# KiCad board Mainboard Small.kicad_pcb (continued)
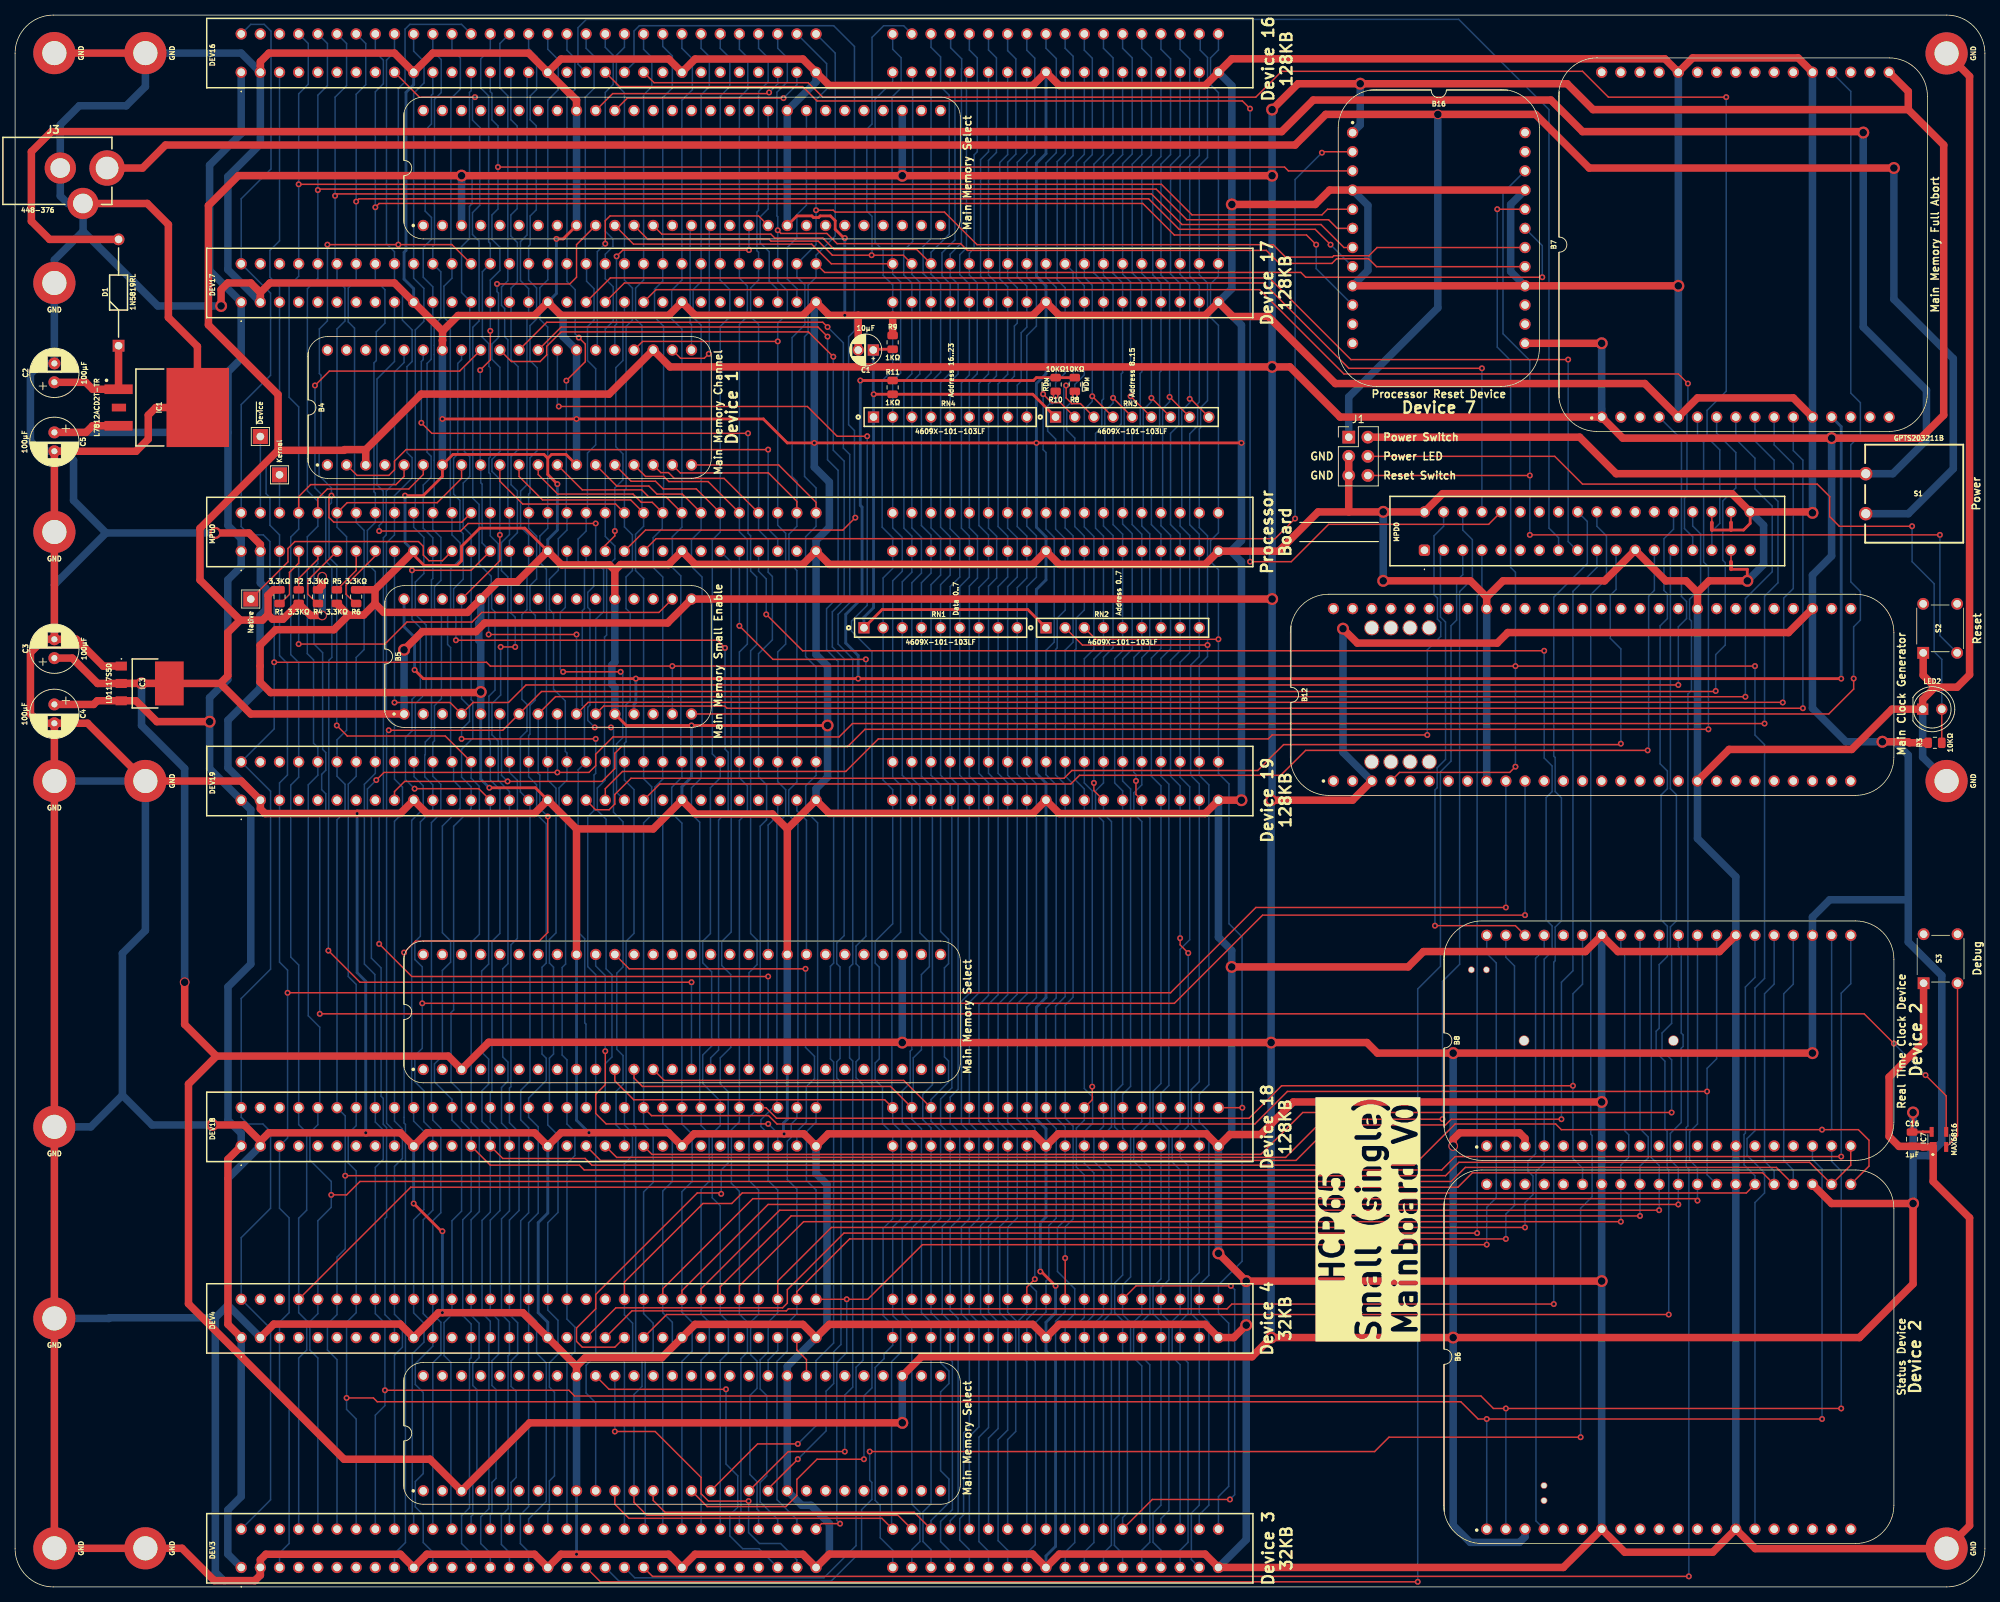
[diagram p0: board, top side]
## Nets
/1.6V: C1.1 R9.1 R11.1 RN1.1 RN2.1 RN3.1 RN4.1
/3.3V: B5.13 B5.32 B7.13 R8.1 R10.1 R11.2
/5V: B1.3 B1.31 B2.3 B2.31 B3.3 B3.31 B4.3 B4.23 B5.1 B5.17 B6.3 B6.23 B7.1 B7.17 B8.3 B8.23 B12.3 B12.31 B16.1 B16.13 C3.1 C16.2 IC3.2 IC3.4 IC7.4 R1.1 R2.1 R3.2 R4.1
/5V LED: J1.4 LED2.2 R3.1
/12V: C4.1 C5.1 DEV3.B1 DEV4.B1 DEV16.B1 DEV17.B1 DEV18.B1 DEV19.B1 IC1.3 IC3.3 MPU0.B1
/18V: C2.1 D1.1 IC1.1
/18V Socket: J1.1 J3.INNER S1.2
/18V Switched: D1.2 J1.2 S1.1
/GND: B1.9 B1.20 B1.37 B1.48 B2.9 B2.20 B2.37 B2.48 B3.9 B3.20 B3.37 B3.48 B4.7 B4.14 B4.27 B4.34 B5.5 B5.12 B5.21 B5.28 B6.7 B6.14 B6.27 B6.34 B7.5 B7.12 B7.21 B7.28 B8.7 B8.14 B8.27 B8.34 B12.9 B12.20 B12.37 B12.48 B16.4 B16.9 B16.16 B16.21 C1.2 C2.2 C3.2 C4.2 C5.2 C16.1 DEV3.B2 DEV3.B10 DEV3.B17 DEV3.B24 DEV3.B31 DEV3.D9 DEV3.D18 DEV4.B2 DEV4.B10 DEV4.B17 DEV4.B24 DEV4.B31 DEV4.D9 DEV4.D18 DEV16.B2 DEV16.B10 DEV16.B17 DEV16.B24 DEV16.B31 DEV16.D9 DEV16.D18 DEV17.B2 DEV17.B10 DEV17.B17 DEV17.B24 DEV17.B31 DEV17.D9 DEV17.D18 DEV18.B2 DEV18.B10 DEV18.B17 DEV18.B24 DEV18.B31 DEV18.D9 DEV18.D18 DEV19.B2 DEV19.B10 DEV19.B17 DEV19.B24 DEV19.B31 DEV19.D9 DEV19.D18 H1.1 H2.1 H3.1 H4.1 H5.1 H6.1 H7.1 H8.1 H9.1 H10.1 H11.1 H12.1 H13.1 IC1.4 IC3.1 IC7.1 J1.3 J1.5 J3.SHL1 J3.SHL2 LED2.1 MPD0.2 MPD0.23 MPD0.36 MPU0.B2 MPU0.B10 MPU0.B17 MPU0.B24 MPU0.B31 MPU0.D9 MPU0.D18 NT1.2 NT2.2 NT3.2 R5.1 R6.1 R9.2 S2.1 S3.1
/AD0: B4.5 B6.25 B8.25 B16.5 DEV3.A4 DEV4.A4 DEV16.A4 DEV17.A4 DEV18.A4 DEV19.A4 MPU0.A4
/AD1: B4.6 B6.24 B8.24 B16.6 DEV3.A5 DEV4.A5 DEV16.A5 DEV17.A5 DEV18.A5 DEV19.A5 MPU0.A5
/AD2: B4.8 B6.22 B8.20 B16.7 DEV3.A6 DEV4.A6 DEV16.A6 DEV17.A6 DEV18.A6 DEV19.A6 MPU0.A6
/AD3: B6.1 B8.18 B16.8 DEV3.A7 DEV4.A7 DEV16.A7 DEV17.A7 DEV18.A7 DEV19.A7 MPU0.A7
/AD4: B6.2 B8.19 B16.10 DEV3.A8 DEV4.A8 DEV16.A8 DEV17.A8 DEV18.A8 DEV19.A8 MPU0.A8
/AD5: DEV3.A9 DEV4.A9 DEV16.A9 DEV17.A9 DEV18.A9 DEV19.A9 MPU0.A9
/AD6: DEV3.A10 DEV4.A10 DEV16.A10 DEV17.A10 DEV18.A10 DEV19.A10 MPU0.A10
/AD7: DEV3.A11 DEV4.A11 DEV16.A11 DEV17.A11 DEV18.A11 DEV19.A11 MPU0.A11
/AD8: DEV3.A12 DEV4.A12 DEV16.A12 DEV17.A12 DEV18.A12 DEV19.A12 MPU0.A12
/AD9: DEV3.A13 DEV4.A13 DEV16.A13 DEV17.A13 DEV18.A13 DEV19.A13 MPU0.A13
/AD10: DEV3.A14 DEV4.A14 DEV16.A14 DEV17.A14 DEV18.A14 DEV19.A14 MPU0.A14
/AD11: DEV3.A15 DEV4.A15 DEV16.A15 DEV17.A15 DEV18.A15 DEV19.A15 MPU0.A15
/AD12: DEV3.A16 DEV4.A16 DEV16.A16 DEV17.A16 DEV18.A16 DEV19.A16 MPU0.A16
/AD13: DEV3.A17 DEV4.A17 DEV16.A17 DEV17.A17 DEV18.A17 DEV19.A17 MPU0.A17
/AD14: DEV3.A18 DEV4.A18 DEV16.A18 DEV17.A18 DEV18.A18 DEV19.A18 MPU0.A18
/AD15: DEV16.A19 DEV17.A19 DEV18.A19 DEV19.A19 MPU0.A19
/AD16: DEV16.A20 DEV17.A20 DEV18.A20 DEV19.A20 MPU0.A20
/AM0: DEV3.D17 DEV4.D17 DEV16.D17 DEV17.D17 DEV18.D17 DEV19.D17 MPU0.D17 RN2.9
/AM1: DEV3.D16 DEV4.D16 DEV16.D16 DEV17.D16 DEV18.D16 DEV19.D16 MPU0.D16 RN2.8
/AM2: DEV3.D15 DEV4.D15 DEV16.D15 DEV17.D15 DEV18.D15 DEV19.D15 MPU0.D15 RN2.7
/AM3: DEV3.D14 DEV4.D14 DEV16.D14 DEV17.D14 DEV18.D14 DEV19.D14 MPU0.D14 RN2.6
/AM4: DEV3.D13 DEV4.D13 DEV16.D13 DEV17.D13 DEV18.D13 DEV19.D13 MPU0.D13 RN2.5
/AM5: DEV3.D12 DEV4.D12 DEV16.D12 DEV17.D12 DEV18.D12 DEV19.D12 MPU0.D12 RN2.4
/AM6: DEV3.C18 DEV4.C18 DEV16.C18 DEV17.C18 DEV18.C18 DEV19.C18 MPU0.C18 RN2.3
/AM7: DEV3.C17 DEV4.C17 DEV16.C17 DEV17.C17 DEV18.C17 DEV19.C17 MPU0.C17 RN2.2
/AM8: DEV3.C16 DEV4.C16 DEV16.C16 DEV17.C16 DEV18.C16 DEV19.C16 MPU0.C16 RN3.9
/AM9: DEV3.C15 DEV4.C15 DEV16.C15 DEV17.C15 DEV18.C15 DEV19.C15 MPU0.C15 RN3.8
/AM10: DEV3.C14 DEV4.C14 DEV16.C14 DEV17.C14 DEV18.C14 DEV19.C14 MPU0.C14 RN3.7
/AM11: DEV3.C13 DEV4.C13 DEV16.C13 DEV17.C13 DEV18.C13 DEV19.C13 MPU0.C13 RN3.6
/AM12: DEV3.C12 DEV4.C12 DEV16.C12 DEV17.C12 DEV18.C12 DEV19.C12 MPU0.C12 RN3.5
/AM13: DEV3.C11 DEV4.C11 DEV16.C11 DEV17.C11 DEV18.C11 DEV19.C11 MPU0.C11 RN3.4
/AM14: DEV3.C10 DEV4.C10 DEV16.C10 DEV17.C10 DEV18.C10 DEV19.C10 MPU0.C10 RN3.3
/AM15: DEV3.C9 DEV4.C9 DEV16.C9 DEV17.C9 DEV18.C9 DEV19.C9 MPU0.C9 RN3.2
/AM16: DEV3.C8 DEV4.C8 DEV16.C8 DEV17.C8 DEV18.C8 DEV19.C8 MPU0.C8 RN4.9
/AM17: DEV3.C7 DEV4.C7 DEV16.C7 DEV17.C7 DEV18.C7 DEV19.C7 MPU0.C7 RN4.8
/AM18: DEV3.C6 DEV4.C6 DEV16.C6 DEV17.C6 DEV18.C6 DEV19.C6 MPU0.C6 RN4.7
/AM19: DEV3.C5 DEV4.C5 DEV16.C5 DEV17.C5 DEV18.C5 DEV19.C5 MPU0.C5 RN4.6
/AM20: DEV3.C4 DEV4.C4 DEV16.C4 DEV17.C4 DEV18.C4 DEV19.C4 MPU0.C4 RN4.5
/AM21: B1.13 B2.13 B3.13 DEV3.C3 DEV4.C3 DEV16.C3 DEV17.C3 DEV18.C3 DEV19.C3 MPU0.C3 RN4.4
/AM22: B1.12 B2.12 B3.12 DEV3.C2 DEV4.C2 DEV16.C2 DEV17.C2 DEV18.C2 DEV19.C2 MPU0.C2 RN4.3
/AM23: B1.11 B2.11 B3.11 DEV3.C1 DEV4.C1 DEV16.C1 DEV17.C1 DEV18.C1 DEV19.C1 MPU0.C1 RN4.2
/DCLK: DEV3.B15 DEV4.B15 DEV16.B15 DEV17.B15 DEV18.B15 DEV19.B15 MPU0.B15
/DD0: B4.18 B6.35 B8.35 DEV3.A28 DEV4.A28 DEV16.A28 DEV17.A28 DEV18.A28 DEV19.A28 MPU0.A28
/DD1: B4.17 B6.33 B8.33 DEV3.A27 DEV4.A27 DEV16.A27 DEV17.A27 DEV18.A27 DEV19.A27 MPU0.A27
/DD2: B4.16 B6.32 B8.32 DEV3.A26 DEV4.A26 DEV16.A26 DEV17.A26 DEV18.A26 DEV19.A26 MPU0.A26
/DD3: B4.15 B6.31 B8.31 DEV3.A25 DEV4.A25 DEV16.A25 DEV17.A25 DEV18.A25 DEV19.A25 MPU0.A25
/DD4: B4.13 B6.30 B8.30 DEV3.A24 DEV4.A24 DEV16.A24 DEV17.A24 DEV18.A24 DEV19.A24 MPU0.A24
/DD5: B4.12 B6.29 B8.29 DEV3.A23 DEV4.A23 DEV16.A23 DEV17.A23 DEV18.A23 DEV19.A23 MPU0.A23
/DD6: B4.11 B6.28 B8.28 DEV3.A22 DEV4.A22 DEV16.A22 DEV17.A22 DEV18.A22 DEV19.A22 MPU0.A22
/DD7: B4.10 B6.26 B8.26 DEV3.A21 DEV4.A21 DEV16.A21 DEV17.A21 DEV18.A21 DEV19.A21 MPU0.A21
/Device_{3} 2MB Select_{0}: B3.15 B4.28
/Device_{3} 2MB Select_{1}: B3.16 B4.29
/Device_{4} 2MB Select_{0}: B3.18 B4.30
/Device_{4} 2MB Select_{1}: B3.19 B4.31
/Device_{16} 2MB Select_{0}: B1.15 B4.21
/Device_{16} 2MB Select_{1}: B1.16 B4.22
/Device_{17} 2MB Select_{0}: B1.18 B4.25
/Device_{17} 2MB Select_{1}: B1.19 B4.26
/Device_{18} 2MB Select_{0}: B2.15 B4.32
/Device_{18} 2MB Select_{1}: B2.16 B4.33
/Device_{19} 2MB Select_{0}: B2.18 B4.35
/Device_{19} 2MB Select_{1}: B2.19 B4.36
/DM0: DEV3.D8 DEV4.D8 DEV16.D8 DEV17.D8 DEV18.D8 DEV19.D8 MPU0.D8 RN1.9
/DM1: DEV3.D7 DEV4.D7 DEV16.D7 DEV17.D7 DEV18.D7 DEV19.D7 MPU0.D7 RN1.8
/DM2: DEV3.D6 DEV4.D6 DEV16.D6 DEV17.D6 DEV18.D6 DEV19.D6 MPU0.D6 RN1.7
/DM3: DEV3.D5 DEV4.D5 DEV16.D5 DEV17.D5 DEV18.D5 DEV19.D5 MPU0.D5 RN1.6
/DM4: DEV3.D4 DEV4.D4 DEV16.D4 DEV17.D4 DEV18.D4 DEV19.D4 MPU0.D4 RN1.5
/DM5: DEV3.D3 DEV4.D3 DEV16.D3 DEV17.D3 DEV18.D3 DEV19.D3 MPU0.D3 RN1.4
/DM6: DEV3.D2 DEV4.D2 DEV16.D2 DEV17.D2 DEV18.D2 DEV19.D2 MPU0.D2 RN1.3
/DM7: DEV3.D1 DEV4.D1 DEV16.D1 DEV17.D1 DEV18.D1 DEV19.D1 MPU0.D1 RN1.2
/D~{CLK}: DEV3.B16 DEV4.B16 DEV16.B16 DEV17.B16 DEV18.B16 DEV19.B16 MPU0.B16
/D~{RD}: B8.21 DEV3.B13 DEV4.B13 DEV16.B13 DEV17.B13 DEV18.B13 DEV19.B13 MPU0.B13
/D~{WD}: B4.9 B6.21 B8.22 B16.3 DEV3.B14 DEV4.B14 DEV16.B14 DEV17.B14 DEV18.B14 DEV19.B14 MPU0.B14
/HD0: B4.20 B8.40 B16.19 DEV3.A31 DEV4.A31 DEV16.A31 DEV17.A31 DEV18.A31 DEV19.A31 MPU0.A31
/HD1: B4.19 B8.39 B16.18 DEV3.A30 DEV4.A30 DEV16.A30 DEV17.A30 DEV18.A30 DEV19.A30 MPU0.A30
/HD2: B4.24 B8.37 B16.17 DEV3.A29 DEV4.A29 DEV16.A29 DEV17.A29 DEV18.A29 DEV19.A29 MPU0.A29
/Kernal: MPU0.A3 TP2.1
/MPU0_{M}: MPU0.B8 R6.2
/MPU1_{M}: MPU0.B7 R5.2
/MPU CLK: B12.10 DEV3.B3 DEV4.B3 DEV16.B3 DEV17.B3 DEV18.B3 DEV19.B3 MPU0.B3
/M~{RD}: DEV3.D10 DEV4.D10 DEV16.D10 DEV17.D10 DEV18.D10 DEV19.D10 MPU0.D10 R10.2
/M~{WD}: DEV3.D11 DEV4.D11 DEV16.D11 DEV17.D11 DEV18.D11 DEV19.D11 MPU0.D11 R8.2
/Native Latch: MPU0.B12 TP3.1
/~{ABORT}: MPU0.B6 R4.2
/~{Device}: MPU0.A2 TP1.1
/~{Enable} DEV1: MPD0.34 NT1.1
/~{Enable} DEV2: MPD0.32 NT3.1
/~{Enable} DEV3: DEV3.B22 MPD0.30
/~{Enable} DEV4: DEV4.B22 MPD0.28
/~{Enable} DEV5: MPD0.26
/~{Enable} DEV6: MPD0.35
/~{Enable} DEV7: MPD0.33 NT2.1
/~{Enable} DEV16: DEV16.B22 MPD0.31
/~{Enable} DEV17: DEV17.B22 MPD0.29
/~{Enable} DEV18: DEV18.B22 MPD0.27
/~{Enable} DEV19: DEV19.B22 MPD0.25
/~{Interrupt} DEV1: MPD0.1
/~{Interrupt} DEV2: B8.38 MPD0.3
/~{Interrupt} DEV3: DEV3.B19 MPD0.5
/~{Interrupt} DEV4: DEV4.B19 MPD0.7
/~{Interrupt} DEV5: MPD0.9
/~{Interrupt} DEV6: MPD0.11
/~{Interrupt} DEV7: MPD0.13
/~{Interrupt} DEV16: DEV16.B19 MPD0.15
/~{Interrupt} DEV17: DEV17.B19 MPD0.17
/~{Interrupt} DEV18: DEV18.B19 MPD0.19
/~{Interrupt} DEV19: DEV19.B19 MPD0.21
/~{Main Access}: B12.11 DEV3.B11 DEV4.B11 DEV16.B11 DEV17.B11 DEV18.B11 DEV19.B11 MPU0.B11
/~{Main}3: B5.8 B7.8 DEV3.B9
/~{Main}4: B5.9 B7.9 DEV4.B9
/~{Main}16: B5.10 B7.10 DEV16.B9
/~{Main}17: B5.11 B7.11 DEV17.B9
/~{Main}18: B5.7 B7.7 DEV18.B9
/~{Main}19: B5.6 B7.6 DEV19.B9
/~{Main} MPU: B5.4 B7.4 MPU0.B9
/~{Main}_{M}: B1.10 B2.10 B3.10 B5.29
/~{Memory Fail}: B5.16 B7.20
/~{Memory Hi}_{ Device}3: B3.46 DEV3.B30
/~{Memory Hi}_{ Device}4: B3.36 DEV4.B30
/~{Memory Hi}_{ Device}16: B1.46 DEV16.B30
/~{Memory Hi}_{ Device}17: B1.36 DEV17.B30
/~{Memory Hi}_{ Device}18: B2.46 DEV18.B30
/~{Memory Hi}_{ Device}19: B2.36 DEV19.B30
/~{Memory Lo}_{ Device}3: B3.47 DEV3.B29
/~{Memory Lo}_{ Device}4: B3.38 DEV4.B29
/~{Memory Lo}_{ Device}16: B1.47 DEV16.B29
/~{Memory Lo}_{ Device}17: B1.38 DEV17.B29
/~{Memory Lo}_{ Device}18: B2.47 DEV18.B29
/~{Memory Lo}_{ Device}19: B2.38 DEV19.B29
/~{NMI}_{1}: B5.18 MPU0.B4 R1.2
/~{NMI}_{2}: IC7.3 MPU0.B5 R2.2
/~{Reset Switch}: B16.22 J1.6 S2.3
/~{Reset}: B5.15 B6.15 B12.4 B16.20 DEV3.A1 DEV4.A1 DEV16.A1 DEV17.A1 DEV18.A1 DEV19.A1 MPU0.A1
/~{Reset} DEV1: MPD0.24
/~{Reset} DEV2: MPD0.22
/~{Reset} DEV3: DEV3.B20 MPD0.20
/~{Reset} DEV4: DEV4.B20 MPD0.18
/~{Reset} DEV5: MPD0.16
/~{Reset} DEV6: MPD0.14
/~{Reset} DEV7: MPD0.12
/~{Reset} DEV16: DEV16.B20 MPD0.10
/~{Reset} DEV17: DEV17.B20 MPD0.8
/~{Reset} DEV18: DEV18.B20 MPD0.6
/~{Reset} DEV19: DEV19.B20 MPD0.4
/~{Select} DEV1: B4.2 MPU0.B29
/~{Select} DEV2: B6.4 B8.4 MPU0.B28
/~{Select} DEV3: DEV3.B21 MPU0.B27
/~{Select} DEV4: DEV4.B21 MPU0.B26
/~{Select} DEV5: MPU0.B25
/~{Select} DEV6: MPU0.B23
/~{Select} DEV7: B16.2 MPU0.B22
/~{Select} DEV16: DEV16.B21 MPU0.B21
/~{Select} DEV17: DEV17.B21 MPU0.B20
/~{Select} DEV18: DEV18.B21 MPU0.B19
/~{Select} DEV19: DEV19.B21 MPU0.B18
Net-(IC7-IN): IC7.2 S3.3

Pads without a net: B1 1 2 4 5 6 7 8 14 17 21 22 23 24 25 26 27 28 29 30 32 33 34 35 39 40 41 42 43 44 45 49 50 51 52 53 54 55 56; B2 1 2 4 5 6 7 8 14 17 21 22 23 24 25 26 27 28 29 30 32 33 34 35 39 40 41 42 43 44 45 49 50 51 52 53 54 55 56; B3 1 2 4 5 6 7 8 14 17 21 22 23 24 25 26 27 28 29 30 32 33 34 35 39 40 41 42 43 44 45 49 50 51 52 53 54 55 56; B4 1 4 37 38 39 40; B5 2 3 14 19 20 22 23 24 25 26 27 30 31; B6 5 6 8 9 10 11 12 13 16 17 18 19 20 36 37 38 39 40; B7 2 3 14 15 16 18 19 22 23 24 25 26 27 29 30 31 32; B8 1 2 5 6 8 9 10 11 12 13 15 16 17 36; B12 1 2 5 6 7 8 12 13 14 15 16 17 18 19 21 22 23 24 25 26 27 28 29 30 32 33 34 35 36 38 39 40 41 42 43 44 45 46 47 49 50 51 52 53 54 55 56; B16 11 12 14 15 23 24; DEV3 A2 A3 A19 A20 B4 B5 B6 B7 B8 B12 B18 B23 B25 B26 B27 B28; DEV4 A2 A3 A19 A20 B4 B5 B6 B7 B8 B12 B18 B23 B25 B26 B27 B28; DEV16 A2 A3 B4 B5 B6 B7 B8 B12 B18 B23 B25 B26 B27 B28; DEV17 A2 A3 B4 B5 B6 B7 B8 B12 B18 B23 B25 B26 B27 B28; DEV18 A2 A3 B4 B5 B6 B7 B8 B12 B18 B23 B25 B26 B27 B28; DEV19 A2 A3 B4 B5 B6 B7 B8 B12 B18 B23 B25 B26 B27 B28; IC1 2; MPU0 B30; S2 2 4; S3 2 4

## Via types
v1: diameter 1.6, hole 1, Top to Bottom, 44 vias
v2: diameter 1.3, hole 1, Top to Bottom, 5 vias
v3: diameter 0.8, hole 0.4, Top to Bottom, 203 vias

## Routing (per net, layer and track width the routed paths; a pad name or vN(x,y) marks a point on that pad's centre or on a via; arc(x,y) is an arc through that point)
/1.6V: length 91.4
  Top w0.38: RN1.1 114.93,129.59 134.24,129.59 RN2.1 ; v3(113.82,158.14) R11.1 134.9,158.14 RN3.1 ; R9.1 113.86,164.11
  Bottom w0.38: 113.76,164.1 113.76,158.2 v3(113.82,158.14) 113.79,158.12 RN4.1 113.79,129.84 112.52,128.57 RN1.1
/3.3V: length 309.4
  Top w0.38: 111.76,120.43 v3(82.28,120.43) 54.11,120.43 v3(52.96,121.59) ; 111.76,120.43 v3(242.06,120.43) ; 111.76,120.43 v3(111.76,120.43) 111.76,120.43 ; v3(112.04,159.97) R11.2 135,159.97 135.38,160.35 R10.1 R8.1
  Bottom w0.38: B5.13 82.04,117.02 82.28,117.26 v3(82.28,120.43) ; B5.32 51.56,127.3 52.96,125.91 v3(52.96,121.59) ; v3(112.04,159.97) 112.04,143.41 112.27,143.18 112.27,131.11 110.11,128.95 110.11,125.14 111.76,123.49 v3(111.76,120.43) ; v3(242.06,120.43) 242.06,153.85 B7.13
/5V: length 1938
  Top w0.38: IC7.4 252.88,60.33 252.86,60.32 C16.2 251.46,61.51 251.59,61.64 v1(251.59,62.91)
  Top w1: R3.2 251.09,111.93 250.95,112.06 v1(247.52,112.06) ; v2(40.71,128.81) 39.17,128.81 R2.1 35.52,128.32 34.13,128.32 33.53,128.93 ; 34.86,150.71 43.59,150.71 43.69,150.8 46.48,150.8 ; 34.86,150.71 24.51,140.36 24.51,133.52 29.84,128.19 ; 34.86,150.71 34.86,158.1 25.63,167.33 25.63,183.16 29.6,187.13 v1(59.18,187.13) 59.19,187.12 v1(117.6,187.12) v1(166.62,187.12) ; 20.43,119.81 v1(16.76,119.81) 14.09,119.81 ; B3.31 120.14,30.52 163.96,30.52 v1(166.5,33.06) v1(190.63,33.06) 244.47,33.06 251.59,40.17 v1(251.59,50.84) 240.79,50.84 B6.23 ; 46.48,150.8 53.84,158.16 78.74,158.16 B4.23 86.82,161.77 v1(166.62,161.77) 168.99,161.77 175.64,155.12 B7.1 213.11,152.32 v1(240.79,152.32) 252.6,152.32 255.65,155.37 255.65,191.18 250.95,195.88 ; 46.48,150.8 B4.3 ; IC3.2 10.94,119.8 7.58,123.15 C3.1 ; v1(117.6,21.76) 68.2,21.76 B3.3 54.99,16.93 43.6,16.93 22.99,37.54 22.99,66.68 26.69,70.38 ; 33.53,128.93 33.53,131.49 34.25,132.22 R1.1 ; 33.53,128.93 32.79,128.19 29.84,128.19 ; v1(238.25,70.78) v1(190.63,70.78) 180.59,70.78 179.2,72.18 v1(166.5,72.18) v1(117.6,72.18) 117.56,72.22 62.78,72.22 B2.3 57.42,70.38 26.69,70.38 ; 27.19,119.8 28.19,120.8 28.19,126.55 29.84,128.19 ; 27.19,119.8 IC3.4 ; 27.19,119.8 31.24,115.75 B5.1 ; v2(190.63,58.46) 190.63,59.35 191.49,60.21 199.42,60.21 200.15,59.48 B8.3 ; B16.13 v1(210.31,164.9) ; 250.95,195.88 250.95,198.3 B7.17 ; 250.95,195.88 209.17,195.88 205.74,199.31 v1(178.31,199.31) 170.05,199.31 v1(166.62,195.88) ; v1(166.5,104.32) 177.29,104.32 B12.3 ; v2(22.48,80.18) 22.48,74.59 26.69,70.38 ; R4.1 40.71,132.77 v2(40.71,133.94) ; v1(51.56,124.26) 53.97,126.67 61.09,126.67 62.23,127.81 86.49,127.81 B5.17 v1(166.62,130.99) ; B12.31 235.08,126.54 197.87,126.54 196.47,125.14 177.93,125.14 v1(176.02,127.05)
  Bottom w1: v1(117.6,72.18) B2.31 ; v1(210.31,164.9) B7.1 ; v1(238.25,70.78) B8.23 238.25,88.82 240.54,91.11 250.95,91.11 ; B6.3 200.15,6.64 199.42,5.91 192.88,5.91 190.63,8.17 v1(190.63,33.06) v2(190.63,58.46) v1(190.63,70.78) ; v1(251.59,62.91) 251.59,57.19 ; 251.59,57.19 v1(251.59,50.84) ; 251.59,57.19 253.62,57.19 255.4,58.97 255.4,81.07 250.95,85.51 250.95,91.11 ; 250.95,91.11 250.95,110.29 249.17,112.06 v1(247.52,112.06) 242.7,112.06 238.25,116.51 B12.31 238.25,134.16 240.79,136.7 v1(240.79,152.32) ; v1(59.18,187.13) B1.3 ; v1(51.56,124.26) 51.56,124.26 B5.1 ; v1(117.6,187.12) B1.31 ; v2(22.48,80.18) 22.48,108.51 16.76,114.22 v1(16.76,119.81) ; v1(176.02,127.05) 176.02,110.67 B12.3 ; B3.31 v1(117.6,21.76) ; v1(178.31,199.31) 178.31,193.85 B16.1 ; v2(40.71,133.94) v2(40.71,128.81) ; v1(166.5,33.06) v1(166.5,72.18) v1(166.5,104.32) 166.62,104.44 v1(166.62,130.99) v1(166.62,161.77) v1(166.62,187.12) v1(166.62,195.88)
/5V LED: length 107.9
  Top w0.2: LED2.2 R3.1 ; v3(251.46,140.64) 241.81,140.64 240.54,141.91 240.54,144.58 238.89,146.23 207.77,146.23 204.09,149.91 J1.4
  Bottom w0.2: v3(251.46,140.64) 251.46,135.94 254.38,133.02 254.38,124 255.4,122.99 LED2.2
/12V: length 265.9
  Top w1: C5.1 9.4,153.08 10.28,153.96 IC1.3 ; C4.1 10.41,117.02 10.89,117.5 IC3.3 16.03,117.5 18.8,114.73 v1(25.78,114.73) ; DEV4.B1 28.21,34.82 28.21,56.7 DEV18.B1
  Bottom w1: DEV18.B1 29.97,60.14 28.22,61.89 28.22,79.57 31.24,82.59 31.24,103.05 DEV19.B1 25.78,108.51 v1(25.78,114.73) 25.78,117.91 28.19,120.32 28.19,133.53 29.97,135.3 MPU0.B1 29.97,138.99 28.22,140.74 28.22,153.08 ; 28.22,153.08 28.22,161.11 29.97,162.86 DEV17.B1 25.78,174.55 25.78,188.52 29.97,192.71 DEV16.B1 ; 28.22,153.08 C5.1 ; DEV4.B1 29.97,11.98 28.2,10.21 28.2,4.35 DEV3.B1
/18V: length 14.7
  Top w1: D1.1 IC1.1 10.28,158.81 9.36,159.73 C2.1
/18V Socket: length 347.6
  Top w1: J3.INNER 16.89,188.14 19.94,191.18 169.67,191.18 173.74,195.25 v2(188.59,195.25) 201.55,195.25 208.66,188.14 v1(249.05,188.14)
  Bottom w1: J1.1 176.78,157.78 188.59,169.59 v2(188.59,195.25) ; v1(249.05,188.14) 249.05,170.74 256.92,162.86 256.92,148.26 250.97,142.31 S1.2
/18V Switched: length 391.3
  Top w1: v1(244.98,192.84) 244.86,192.96 207.77,192.96 203.58,197.15 172.08,197.15 167.89,192.96 4.83,192.96 2.16,190.3 2.16,181.09 4.57,178.68 D1.2 ; J1.2 207.39,152.45 212.23,147.61 S1.1
  Bottom w1: v1(244.98,192.84) 244.98,167.05 253.36,158.67 253.36,152.07 248.9,147.61 S1.1
/GND: length 4203.8
  Top w0.38: v3(56.64,47.16) 56.51,47.16 v3(52.83,50.84) ; MPU0.B17 67.56,140.38 61.59,140.38 59.18,137.97 59.18,136.07 58.55,135.43 54.23,135.43 52.83,136.83 ; v1(229.62,133.4) 229.62,134.92 229.61,134.93 NT2.2 ; v1(107.7,114.22) v3(89.66,114.22) 81.03,114.22 B5.12 ; 224.92,140.14 NT1.2 229.12,140.14 230,141.02 230,142.54 ; B1.20 103.63,181.79 105.62,181.79 105.82,181.58 106.52,181.58 106.72,181.79 108.08,181.79 108.71,181.15 108.71,180.01 109.87,178.85 v3(109.98,178.85) ; v3(71.75,178.74) 72.64,178.74 B1.9 ; v3(135.9,41.82) 136.02,41.82 v3(137.92,39.92) ; 70.61,149.66 70.1,150.16 58.04,150.16 B4.7 56.64,147.24 54.1,144.7 v3(51.69,144.7) ; 70.61,149.66 71.12,150.16 73.02,150.16 B4.14 ; 70.61,149.66 70.61,147.5 v3(71.88,146.23) ; DEV19.B17 68.96,105.97 v3(62.86,105.97) ; v3(162.56,151.69) v3(135.38,151.69) v3(105.94,151.69) 102.36,151.69 99.19,154.86 v3(74.42,154.86) v3(56.64,154.86)
  Top w1: B7.21 236.35,202.74 222.38,202.74 B7.28 218.69,202.61 161.29,202.61 DEV16.D18 157.75,199.08 138.41,199.08 DEV16.D9 134.9,199.08 107.92,199.08 DEV16.B31 104.42,202.59 90.14,202.59 DEV16.B24 86.64,202.59 72.37,202.59 70.64,200.87 73.47,198.04 73.54,198.04 74.42,197.15 B1.48 ; v1(229.62,133.4) 224.54,133.4 223.01,131.88 ; B12.37 223.01,131.88 ; 223.01,131.88 221.49,133.4 218.82,133.4 MPD0.23 210.69,133.4 197.23,133.4 195.07,131.24 ; 254.51,119.3 257.43,119.3 259.08,120.95 259.08,200.29 H1.1 ; 254.51,119.3 252.93,120.88 S2.1 ; 254.51,119.3 252.86,117.65 LED2.1 248.79,116.38 243.46,111.05 227.2,111.05 B12.20 ; B2.37 102.36,100.51 ; 102.36,100.51 100.38,102.48 90.22,102.48 DEV19.B24 84.58,100.51 74.42,100.51 ; 102.36,100.51 DEV19.B31 107.92,102.56 134.9,102.56 DEV19.D9 138.42,102.55 157.74,102.55 DEV19.D18 v1(162.56,104.32) ; 195.07,131.24 B12.48 ; 195.07,131.24 192.91,133.4 v1(181.36,133.4) ; MPU0.B2 32.51,138.23 30.99,139.75 v1(26.54,139.75) ; v1(161.27,82.21) 184.66,82.21 186.69,84.24 208.15,84.24 B8.34 212.47,84.24 225.93,84.24 B8.27 ; v1(220.47,172.52) B16.16 B16.9 ; 32.51,171.63 31.24,172.9 28.19,172.9 27.31,172.01 v1(27.31,169.85) ; 32.51,171.63 DEV17.B2 ; 32.51,171.63 33.78,172.9 50.29,172.9 DEV17.B10 56.67,166.52 ; 176.78,142.54 172.72,142.54 167.51,137.34 MPU0.D18 157.76,135.58 138.4,135.58 MPU0.D9 134.9,135.58 107.92,135.58 MPU0.B31 104.42,135.58 90.14,135.58 MPU0.B24 86.61,135.56 80.26,135.56 79.5,134.8 ; 176.78,142.54 v1(181.36,142.54) 186.82,142.54 189.23,144.96 227.58,144.96 230,142.54 238.12,142.54 v1(238.25,142.42) ; 176.78,142.54 J1.5 J1.3 ; C3.2 8.13,125.65 11.68,122.1 IC3.1 ; C3.2 3.81,125.65 2.03,123.87 2.03,115.75 3.26,114.52 C4.2 ; C3.2 H6.1 C5.2 16.04,150.58 17.65,152.2 17.65,155.37 18.67,156.39 IC1.4 ; 74.42,29.25 75.57,30.39 85.73,30.39 DEV4.B24 90.14,34.81 104.42,34.81 DEV4.B31 107.92,34.81 134.9,34.81 DEV4.D9 138.4,34.81 157.76,34.81 DEV4.D18 161.54,33.06 v1(163.19,34.71) ; 74.42,29.25 B3.48 ; 74.42,29.25 DEV4.B17 67.31,36.36 v3(56.64,36.36) 56.13,36.36 DEV4.B10 51.04,34.85 34.3,34.85 DEV4.B2 ; 111.76,168.6 v3(109.98,168.6) 107.92,168.6 DEV17.B31 104.42,168.6 90.14,168.6 DEV17.B24 86.63,168.6 72.37,168.6 DEV17.B17 68.83,168.58 58.72,168.58 56.67,166.52 ; 111.76,168.6 C1.2 ; 111.76,168.6 116.33,168.6 ; v1(26.16,61.25) 30.35,61.25 32.51,59.1 ; 47.71,130.38 48.88,129.22 59.95,129.22 B5.28 64.01,133.28 66.55,133.28 MPU0.B17 72.43,135.52 78.78,135.52 79.5,134.8 ; 47.71,130.38 46.18,128.85 44.19,128.85 ; 47.71,130.38 47.71,132.22 ; MPU0.B10 47.71,132.22 ; 47.71,132.22 R6.1 ; 116.33,168.6 134.9,168.6 DEV17.D9 138.41,168.6 157.76,168.6 DEV17.D18 161.42,168.45 166.12,168.45 175.01,159.56 216.03,159.56 B7.5 223.01,157.66 235.71,157.66 B7.12 ; 116.33,168.6 116.33,165.94 ; 44.19,128.85 R5.1 ; 44.19,128.85 42.26,126.92 34.54,126.92 32.47,124.85 32.47,119.98 33.86,118.59 61.64,118.59 v1(61.72,118.67) ; H12.1 H2.1 ; 24.17,156.39 24.17,164.48 20.32,168.32 20.32,180.64 17.53,183.44 J3.SHL1 ; 56.67,166.52 56.67,165.3 56.64,165.28 B4.34 ; B16.21 B16.4 174.24,185.22 172.34,183.31 v1(161.29,183.31) ; v1(210.31,64.3) 169.42,64.3 165.1,59.98 161.04,59.98 DEV18.D18 157.9,60.07 138.26,60.07 DEV18.D9 135.04,60.07 107.78,60.07 DEV18.B31 104.56,60.07 v3(101.94,60.07) 90,60.07 DEV18.B24 86.63,60.23 v3(76.07,60.23) 72.38,60.23 DEV18.B17 68.86,60.21 54.58,60.21 DEV18.B10 51.08,60.21 v3(46.48,60.21) 33.63,60.21 32.51,59.1 ; 32.51,59.1 DEV18.B2 ; 74.42,100.51 DEV19.B17 68.86,102.56 54.59,102.56 DEV19.B10 51.08,102.56 45.36,102.56 v3(45.34,102.54) 33.15,102.54 32.51,103.17 DEV19.B2 29.97,106.86 H13.1 9.61,114.52 C4.2 ; 74.42,100.51 B2.48 ; v1(210.31,40.55) 163.2,40.55 v1(163.19,40.55) 163.19,40.55 v1(159.51,44.23) ; DEV16.B2 32.51,202.23 33.65,203.38 50.29,203.38 DEV16.B10 55.37,203.38 68.07,203.38 DEV16.B17 ; C4.2 H7.1 H8.1 H9.1 H4.1 H11.1 22.13,5.12 26.42,0.83 31.78,0.83 32.51,1.56 DEV3.B2 32.51,3.6 33.25,4.33 51.08,4.33 DEV3.B10 54.58,4.33 68.86,4.33 DEV3.B17 72.36,4.33 v3(74.42,4.33) 86.64,4.33 DEV3.B24 90.14,4.33 104.42,4.33 DEV3.B31 107.94,4.35 134.88,4.35 DEV3.D9 138.42,4.35 157.74,4.35 DEV3.D18 205.23,2.58 B6.7 213.36,4.61 225.04,4.61 B6.14 230.67,5.08 H3.1 259.08,8.13 259.08,48.94 254.25,53.76 IC7.1 252.86,58.33 252.78,58.42 C16.1 249.73,58.42 248.41,59.73 248.41,67.6 252.98,72.18 S3.1 ; 79.5,134.8 B5.21
  Bottom w0.38: v3(137.92,39.92) 137.92,36.36 136.65,35.09 DEV4.D9 136.65,31.28 137.92,30.01 137.92,5.37 136.65,4.1 DEV3.D9 ; v3(52.83,50.84) DEV18.B10 ; DEV19.B24 88.39,106.09 89.66,107.36 v3(89.66,114.22) ; v3(45.34,102.54) 45.34,81.45 46.48,80.3 v3(46.48,60.21) ; DEV17.B10 52.83,172.13 51.56,173.4 51.56,176.96 51.82,177.21 51.82,198.17 52.83,199.19 DEV16.B10 ; MPU0.B10 51.69,138.48 v3(51.69,144.7) ; DEV16.D9 136.65,190.04 135.38,188.77 135.38,173.79 136.65,172.52 DEV17.D9 136.65,160.83 135.38,159.56 v3(135.38,151.69) 135.38,140.51 136.65,139.24 MPU0.D9 136.65,133.53 135.38,132.26 135.38,107.87 136.65,106.6 DEV19.D9 136.65,78.15 135.38,76.88 135.38,62.02 136.65,60.75 DEV18.D9 136.65,49.05 135.9,48.3 v3(135.9,41.82) ; DEV18.B17 70.61,49.57 69.34,48.3 69.34,36.36 70.61,35.09 DEV4.B17 ; B5.5 61.72,107.11 v3(62.86,105.97) ; v3(76.07,60.23) 74.42,61.88 B2.9 B2.48 ; v3(56.64,36.36) v3(56.64,47.16) ; v3(71.88,146.23) 71.88,140.13 70.61,138.86 MPU0.B17 ; v3(101.94,60.07) 101.85,60.16 101.85,61.51 102.36,62.02 B2.20 ; v3(109.98,168.6) v3(109.98,178.85) ; v3(71.75,178.74) 71.75,171.5 DEV17.B17 ; B3.9 v3(74.42,4.33)
  Bottom w1: B12.37 B12.20 223.01,99.24 228.09,94.16 B8.27 B8.14 B6.27 B6.14 ; 4.57,61 10.03,61 14.22,65.19 ; 26.54,35.69 12.54,35.69 12.45,35.6 4.57,35.6 ; 26.54,35.69 28.21,37.36 ; 26.54,35.69 26.54,1.95 27.66,0.83 31.78,0.83 32.51,1.56 DEV3.B2 ; H7.1 H13.1 17.27,87.04 14.22,84 14.22,65.19 ; v1(238.25,142.42) B7.12 B7.21 ; LED2.1 252.86,110.03 H10.1 ; 14.22,65.19 18.16,61.25 v1(26.16,61.25) ; B4.14 v3(74.42,154.86) B4.27 72.64,165.78 72.64,168.32 DEV17.B17 ; DEV19.B2 28.22,108.61 28.22,114.92 32.47,119.17 32.47,128.8 33.24,129.57 33.24,132.4 32.51,133.13 MPU0.B2 ; v1(162.56,104.32) 162.56,135.94 161.16,137.34 ; B16.16 198.25,174.42 198.25,183.31 B16.21 ; 161.16,137.34 162.56,138.73 v3(162.56,151.69) 162.56,167.31 DEV17.D18 161.29,172.13 v1(161.29,183.31) 161.29,199.06 DEV16.D18 ; 161.16,137.34 MPU0.D18 ; B5.21 79.5,122.61 79.11,122.22 79.11,119.68 79.5,119.3 B5.12 ; 12.07,139.75 5.21,132.89 C3.2 ; 12.07,139.75 v1(26.54,139.75) ; 12.07,139.75 7.75,144.07 7.75,149.4 6.56,150.58 C5.2 3.39,150.58 2.03,151.94 2.03,160.83 3.43,162.23 C2.2 H5.1 5.21,175.94 9.02,179.75 ; DEV3.B31 107.94,4.35 107.94,8.38 105.49,10.82 104.28,10.82 B3.20 B3.37 102.36,29.25 DEV4.B31 107.62,34.51 107.62,53.38 106.17,54.83 DEV18.B31 ; B1.9 B1.48 ; B4.34 v3(56.64,154.86) B4.7 ; v1(27.31,169.85) 18.92,169.85 9.02,179.75 ; J3.SHL1 6.99,183.44 5.99,184.43 J3.SHL2 5.99,193.87 8.51,196.39 14.73,196.39 17.27,198.93 H12.1 29.97,203.38 DEV16.B2 32.51,191.31 28.2,187 28.2,174.66 DEV17.B2 ; B7.5 v1(220.47,172.52) B7.28 ; DEV19.D18 159.51,86.15 161.27,84.39 v1(161.27,82.21) 161.27,60.22 DEV18.D18 v1(159.51,44.23) ; DEV18.B2 28.21,54.16 28.21,37.36 ; DEV19.B31 106.17,105.84 107.7,107.36 v1(107.7,114.22) 107.7,122.1 106.17,123.62 MPU0.B31 106.17,138.75 107.93,140.51 107.93,146.5 105.94,148.49 v3(105.94,151.69) 105.94,170.13 DEV17.B31 ; 9.02,179.75 9.02,183.41 ; B8.34 v1(210.31,64.3) B8.7 B6.34 v1(210.31,40.55) B6.7 ; 28.21,37.36 DEV4.B2 ; 230,142.54 231.77,140.77 231.77,135.56 v1(229.62,133.4) ; DEV3.D18 163.19,6.26 v1(163.19,34.71) v1(163.19,40.55) ; B5.28 61.72,128.07 61.46,127.81 61.46,125.53 61.72,125.26 v1(61.72,118.67) B5.5 ; B2.37 B2.20 ; B3.48 B3.9 ; v1(181.36,142.54) v1(181.36,133.4) ; B12.9 B12.48 ; B16.4 179.32,183.18 179.32,174.55 B16.9 ; B1.20 B1.37 106.17,199.57 DEV16.B31
/AD0: length 601.5
  Top w0.2: B16.5 173.98,182.68 173.23,181.93 156,181.93 151.95,185.98 v3(37.59,185.98) ; DEV4.A4 52.45,53 191.26,53 193.17,54.9 231.65,54.9 B6.25 ; MPU0.A4 37.59,144.58 39.17,146.16 50.48,146.16 51.56,147.24 B4.5
  Bottom w0.2: DEV16.A4 38.86,204.65 38.86,199.25 37.59,197.98 v3(37.59,185.98) DEV17.A4 37.59,173.79 36.32,172.52 36.32,157.74 37.59,156.47 MPU0.A4 37.59,140.26 36.54,139.21 36.54,123.62 37.59,122.57 DEV19.A4 37.59,107.36 36.54,106.31 36.54,83.51 37.59,82.46 DEV18.A4 37.59,61.3 38.65,60.24 38.65,49.95 37.59,48.89 DEV4.A4 37.59,36.36 38.66,35.3 38.66,31.41 37.59,30.34 DEV3.A4 ; B8.25 233.17,79.92 231.9,78.65 231.9,56.43 233.17,55.16 B6.25
/AD1: length 593.9
  Top w0.2: B6.24 233.47,55.63 192.24,55.63 190.37,53.76 45.72,53.76 43.94,51.98 v3(41.91,51.98) ; B4.6 54.1,147.5 52.18,145.58 41.39,145.58 40.13,144.32 MPU0.A5 ; B16.6 175.26,180.14 174.12,181.28 155.32,181.28 151.26,185.34 40.26,185.34 v3(40.13,185.22)
  Bottom w0.2: DEV18.A5 40.13,61.29 39.08,60.24 39.08,56.59 41.91,53.76 v3(41.91,51.98) 41.91,50.33 40.13,48.55 DEV4.A5 40.13,36.24 39.07,35.18 39.07,31.41 40.13,30.35 DEV3.A5 ; 40.39,63.79 40.39,74.21 38.86,75.73 38.86,106.35 40.13,107.62 DEV19.A5 40.13,111.3 39.56,111.87 39.56,122.92 38.73,123.75 38.73,139.24 40.13,140.64 MPU0.A5 40.13,143.95 38.75,145.34 38.75,172.13 40.13,173.52 DEV17.A5 v3(40.13,185.22) 40.13,197.79 41.4,199.06 41.4,204.65 DEV16.A5 ; B6.24 235.71,55.29 234.44,56.56 234.44,78.65 235.71,79.92 B8.24
/AD2: length 567.1
  Top w0.2: B8.20 243.33,55.92 B6.22 237.87,56.3 191.39,56.3 189.61,54.52 v3(43.76,54.52) ; B16.7 176.15,177.6 173.1,180.64 154.69,180.64 150.62,184.71 42.67,184.71 v3(42.42,184.45) ; B4.8 59.18,146.99 55.96,143.76 44.02,143.76 MPU0.A6
  Bottom w0.2: DEV3.A6 42.67,30.14 41.4,31.41 41.4,34.84 42.67,36.11 DEV4.A6 42.67,43.73 43.76,44.82 v3(43.76,54.52) 43.76,62.45 DEV18.A6 42.67,101.72 43.74,102.79 43.74,106.42 42.67,107.49 DEV19.A6 42.67,112.32 43.94,113.59 43.94,139.24 42.67,140.51 MPU0.A6 42.67,166.8 43.72,167.85 43.72,172.23 42.67,173.28 DEV17.A6 ; 42.42,175.69 v3(42.42,184.45) 42.42,197.53 43.94,199.06 43.94,204.65 DEV16.A6
/AD3: length 587.6
  Top w0.2: v3(239.52,22.27) v3(195.07,22.27) 193.93,22.27 191.64,24.55 48.01,24.55 47.5,25.06 v3(43.94,25.06) ; v3(45.21,183.69) 45.57,184.05 150.26,184.05 154.3,180.01 172.34,180.01 v3(174.37,177.98)
  Bottom w0.2: DEV3.A7 45.21,22.27 43.94,23.54 v3(43.94,25.06) 43.94,35.09 45.21,36.36 DEV4.A7 45.21,55.16 44.16,56.21 44.16,60.11 45.21,61.16 DEV18.A7 45.21,79.89 44.16,80.94 44.16,106.44 45.21,107.49 DEV19.A7 45.21,123.24 46.26,124.29 46.26,140.09 45.21,141.15 MPU0.A7 ; v3(239.52,22.27) 239.52,55.41 238.25,56.68 B8.18 ; B6.1 v3(195.07,22.27) ; v3(174.37,177.98) B16.8 ; 45,142.63 45,166.9 44.16,167.74 44.16,172.23 45.21,173.28 DEV17.A7 v3(45.21,183.69) 45.21,197.92 46.48,199.19 46.48,204.65 DEV16.A7
/AD4: length 586.8
  Top w0.2: v3(172.47,177.98) 171.18,179.26 153.66,179.26 149.48,183.44 48.26,183.44 v3(47.75,182.93) ; v3(49.02,26.08) 73.41,26.08 74.17,25.31 194.31,25.31 195.96,23.66 v3(197.61,23.66) v3(242.06,23.66)
  Bottom w0.2: v3(197.61,23.66) B6.2 ; DEV18.A8 47.75,61.64 48.8,60.58 48.8,56.68 47.75,55.63 DEV4.A8 47.75,36.24 49.02,34.97 v3(49.02,26.08) 49.02,24.04 47.75,22.77 DEV3.A8 ; v3(242.06,23.66) 242.06,55.16 240.79,56.43 B8.19 ; v3(172.47,177.98) 172.47,174.8 B16.10 ; DEV16.A8 47.75,203.5 48.82,202.44 48.82,199.31 47.75,198.25 v3(47.75,182.93) DEV17.A8 47.75,173.28 49.02,172.01 49.02,167.56 47.88,166.42 47.88,162.61 47.57,162.3 47.57,145.21 47.75,145.03 MPU0.A8 47.75,141.15 46.7,140.09 46.7,135.69 47.75,134.63 DEV19.A8 47.75,107.87 46.3,106.42 46.3,82.59 47.69,81.2 47.69,63.6
/AD5: length 205
  Bottom w0.2: DEV16.A9 50.29,203.5 49.23,202.44 49.23,178.1 50.29,177.04 DEV17.A9 50.29,173.19 51.35,172.13 51.35,167.95 52.63,166.67 52.63,162.48 51.94,161.8 51.94,150.42 52.63,149.73 52.63,147.04 50.29,144.7 MPU0.A9 50.29,139.5 49.22,138.43 49.22,115.42 50.29,114.35 DEV19.A9 ; DEV3.A9 50.29,30.74 51.34,31.79 51.34,35.09 50.29,36.14 DEV4.A9 50.29,55.76 51.34,56.81 51.34,60.71 50.29,61.76 DEV18.A9 50.29,101.52 51.35,102.58 51.35,106.05 50.29,107.11 50.29,109.24
/AD6: length 205.4
  Bottom w0.2: MPU0.A10 52.83,140.51 54.19,139.16 54.19,134.37 53.05,133.24 53.05,128.97 54.48,127.54 54.48,118.54 53.05,117.11 53.05,109.62 ; DEV3.A10 52.83,9.64 52.65,9.82 52.65,30.91 54.2,32.45 54.2,34.97 52.83,36.33 DEV4.A10 52.83,48.68 54.18,50.03 54.18,60.41 52.83,61.76 DEV18.A10 ; 53.05,142.63 53.05,166.67 54.19,167.81 54.19,172.18 52.83,173.53 DEV17.A10 52.83,198.04 54.21,199.42 54.21,202.25 52.83,203.63 DEV16.A10 ; 52.89,109.34 52.89,107.44 54.1,106.22 54.1,103.17 52.57,101.64 52.57,63.8
/AD7: length 204
  Bottom w0.2: DEV3.A11 55.37,29.71 56.44,30.78 56.44,35.09 55.37,36.16 DEV4.A11 55.37,48.55 56.43,49.61 56.43,60.83 55.37,61.89 DEV18.A11 ; DEV16.A11 55.37,203.63 56.48,202.52 56.48,198.14 55.59,197.25 55.59,177.98 55.37,177.76 DEV17.A11 56.44,174.37 56.44,168.24 55.55,167.36 55.55,164.61 55.55,149.37 55.55,142.6 ; 55.19,63.72 55.19,101.34 56.43,102.58 56.43,106.43 55.37,107.49 DEV19.A11 55.37,111.97 55.59,112.19 55.59,116.86 56.51,117.78 56.51,128.79 55.59,129.72 55.59,132.6 56.44,133.46 56.44,139.16 55.37,140.23 MPU0.A11
/AD8: length 205.5
  Bottom w0.2: MPU0.A12 57.91,139.5 59,138.41 59,136.27 57.73,135 57.73,129.66 57.33,129.26 57.33,124.96 57.73,124.56 57.73,109.79 ; 58.12,109.19 58.12,106.9 58.99,106.03 58.99,103.24 56.64,100.89 56.64,86.74 57.73,85.65 57.73,82.84 56.64,81.75 56.64,70.4 55.59,69.35 55.59,66.97 57.91,64.65 DEV18.A12 57.91,61.89 59.18,60.62 59.18,49.82 57.91,48.55 DEV4.A12 57.91,36.11 56.86,35.06 56.86,30.68 57.77,29.77 57.77,7.8 ; DEV17.A12 57.91,173.53 56.85,172.47 56.85,168.33 57.69,167.49 57.69,142.85 ; DEV16.A12 57.91,203.85 59.02,202.74 59.02,198.6 57.77,197.34 57.77,175.58
/AD9: length 271.5
  Top w0.2: MPU0.A13 59.22,141.18 42.23,141.18 41.61,141.81 41.61,144.37 v3(41.93,144.7) ; v3(41.4,177.98) 41.41,177.98 v3(50.8,177.98) 57.91,177.98 DEV17.A13 ; DEV19.A13 57.02,112.83 44.04,112.83 v3(42.64,114.22)
  Bottom w0.2: DEV19.A13 60.45,107.24 61.54,106.15 61.54,86.54 60.45,85.45 DEV18.A13 60.45,61.64 61.54,60.55 61.54,49.77 60.45,48.68 DEV4.A13 60.45,36.02 61.5,34.97 61.5,30.39 60.67,29.56 60.67,26.71 61.21,26.17 61.21,14.77 60.67,14.23 60.67,9.57 60.45,9.35 DEV3.A13 ; v3(42.64,114.22) 42.64,135.49 41.62,136.51 41.62,143.43 41.93,143.75 v3(41.93,144.7) 41.93,145.73 40.3,147.37 40.3,150.73 40.56,150.98 40.56,160.66 40.33,160.88 40.33,166.8 41.4,167.87 v3(41.4,177.98) ; v3(50.8,177.98) 50.8,198.68 51.69,199.57 51.69,206.55 52.32,207.19 59.18,207.19 DEV16.A13
/AD10: length 205.2
  Bottom w0.2: DEV16.A14 62.99,203.88 61.72,202.61 61.72,198.75 62.77,197.7 62.77,178.36 62.99,178.14 DEV17.A14 61.94,174.38 61.94,165.7 62.81,164.83 62.81,161.84 62.99,161.66 62.99,149.84 62.81,149.66 62.81,147.75 62.99,147.57 MPU0.A14 62.99,139.37 64.06,138.3 64.06,132.81 63.17,131.93 63.17,129.72 63.61,129.27 63.61,118.91 62.81,118.11 62.81,112.32 62.99,112.14 DEV19.A14 62.99,106.98 64.26,105.71 64.26,86.65 63.21,85.6 63.21,65.79 62.99,65.57 DEV18.A14 62.99,61.69 64.26,60.42 64.26,49.89 62.99,48.62 DEV4.A14 62.99,36.48 64.09,35.38 64.09,30.85 63.21,29.98 63.21,26.71 63.75,26.17 63.75,14.39 63.21,13.85 63.21,9.82 62.99,9.6 DEV3.A14
/AD11: length 203.6
  Bottom w0.2: DEV3.A15 65.53,9.6 65.75,9.82 65.75,13.85 66.42,14.52 66.42,25.91 65.75,26.58 65.75,29.98 66.62,30.84 66.62,35.02 65.53,36.11 DEV4.A15 65.53,48.64 66.8,49.91 66.8,60.28 65.53,61.55 DEV18.A15 65.53,66.13 65.73,66.33 65.73,85.14 66.58,85.99 66.58,106.95 65.53,108 DEV19.A15 ; MPU0.A15 65.53,139.54 64.47,138.47 64.47,134.76 65.31,133.92 65.31,109.62 ; DEV16.A15 64.26,204.65 64.26,198.76 65.31,197.7 65.31,173.19 64.48,172.35 64.48,169.92 64.9,169.5 64.9,165.78 65.32,165.36 65.32,142.63
/AD12: length 208.3
  Bottom w0.2: DEV3.A16 68.07,9.01 70.41,11.34 70.41,29.71 69.13,30.99 69.13,35.22 68.07,36.28 DEV4.A16 68.07,48.3 69.34,49.57 69.34,61 68.07,62.27 DEV18.A16 68.07,64.81 70.4,67.14 70.4,70.1 69.85,70.65 69.85,82.16 70.4,82.72 70.4,101.17 69.13,102.45 69.13,106.37 68.07,107.43 DEV19.A16 68.07,112.89 68.25,113.07 68.25,116.89 68.96,117.6 68.96,128.83 68.25,129.54 68.25,132.76 69.13,133.64 69.13,139.33 68.07,140.38 MPU0.A16 68.07,144.9 68.26,145.08 68.26,149.71 69.21,150.67 69.21,161.65 68.26,162.61 68.26,167.24 69.12,168.11 69.12,172.23 68.07,173.28 DEV17.A16 68.07,177.77 68.28,177.98 68.28,181.79 69.09,182.6 69.09,193.72 68.28,194.53 68.28,197.69 69.13,198.54 69.13,202.95 68.07,204.01 DEV16.A16
